# Altium PCB EPS.PcbDoc (part 4 of 10)
Units mm, origin at the board's own origin, x right, y up, seen from the top; angles counter-clockwise.
Board outline 90.25 x 93.64 mm, 8 copper layers (Top Layer, PGND, Power, Control Signals 1, Control Signals 2, Signal 1, Signal 2, Bottom Layer), stack 1.637 mm thick; 953 components, 561 nets, 2718 pads, 883 vias.
Unrouted connection lines stored in the file: 2.
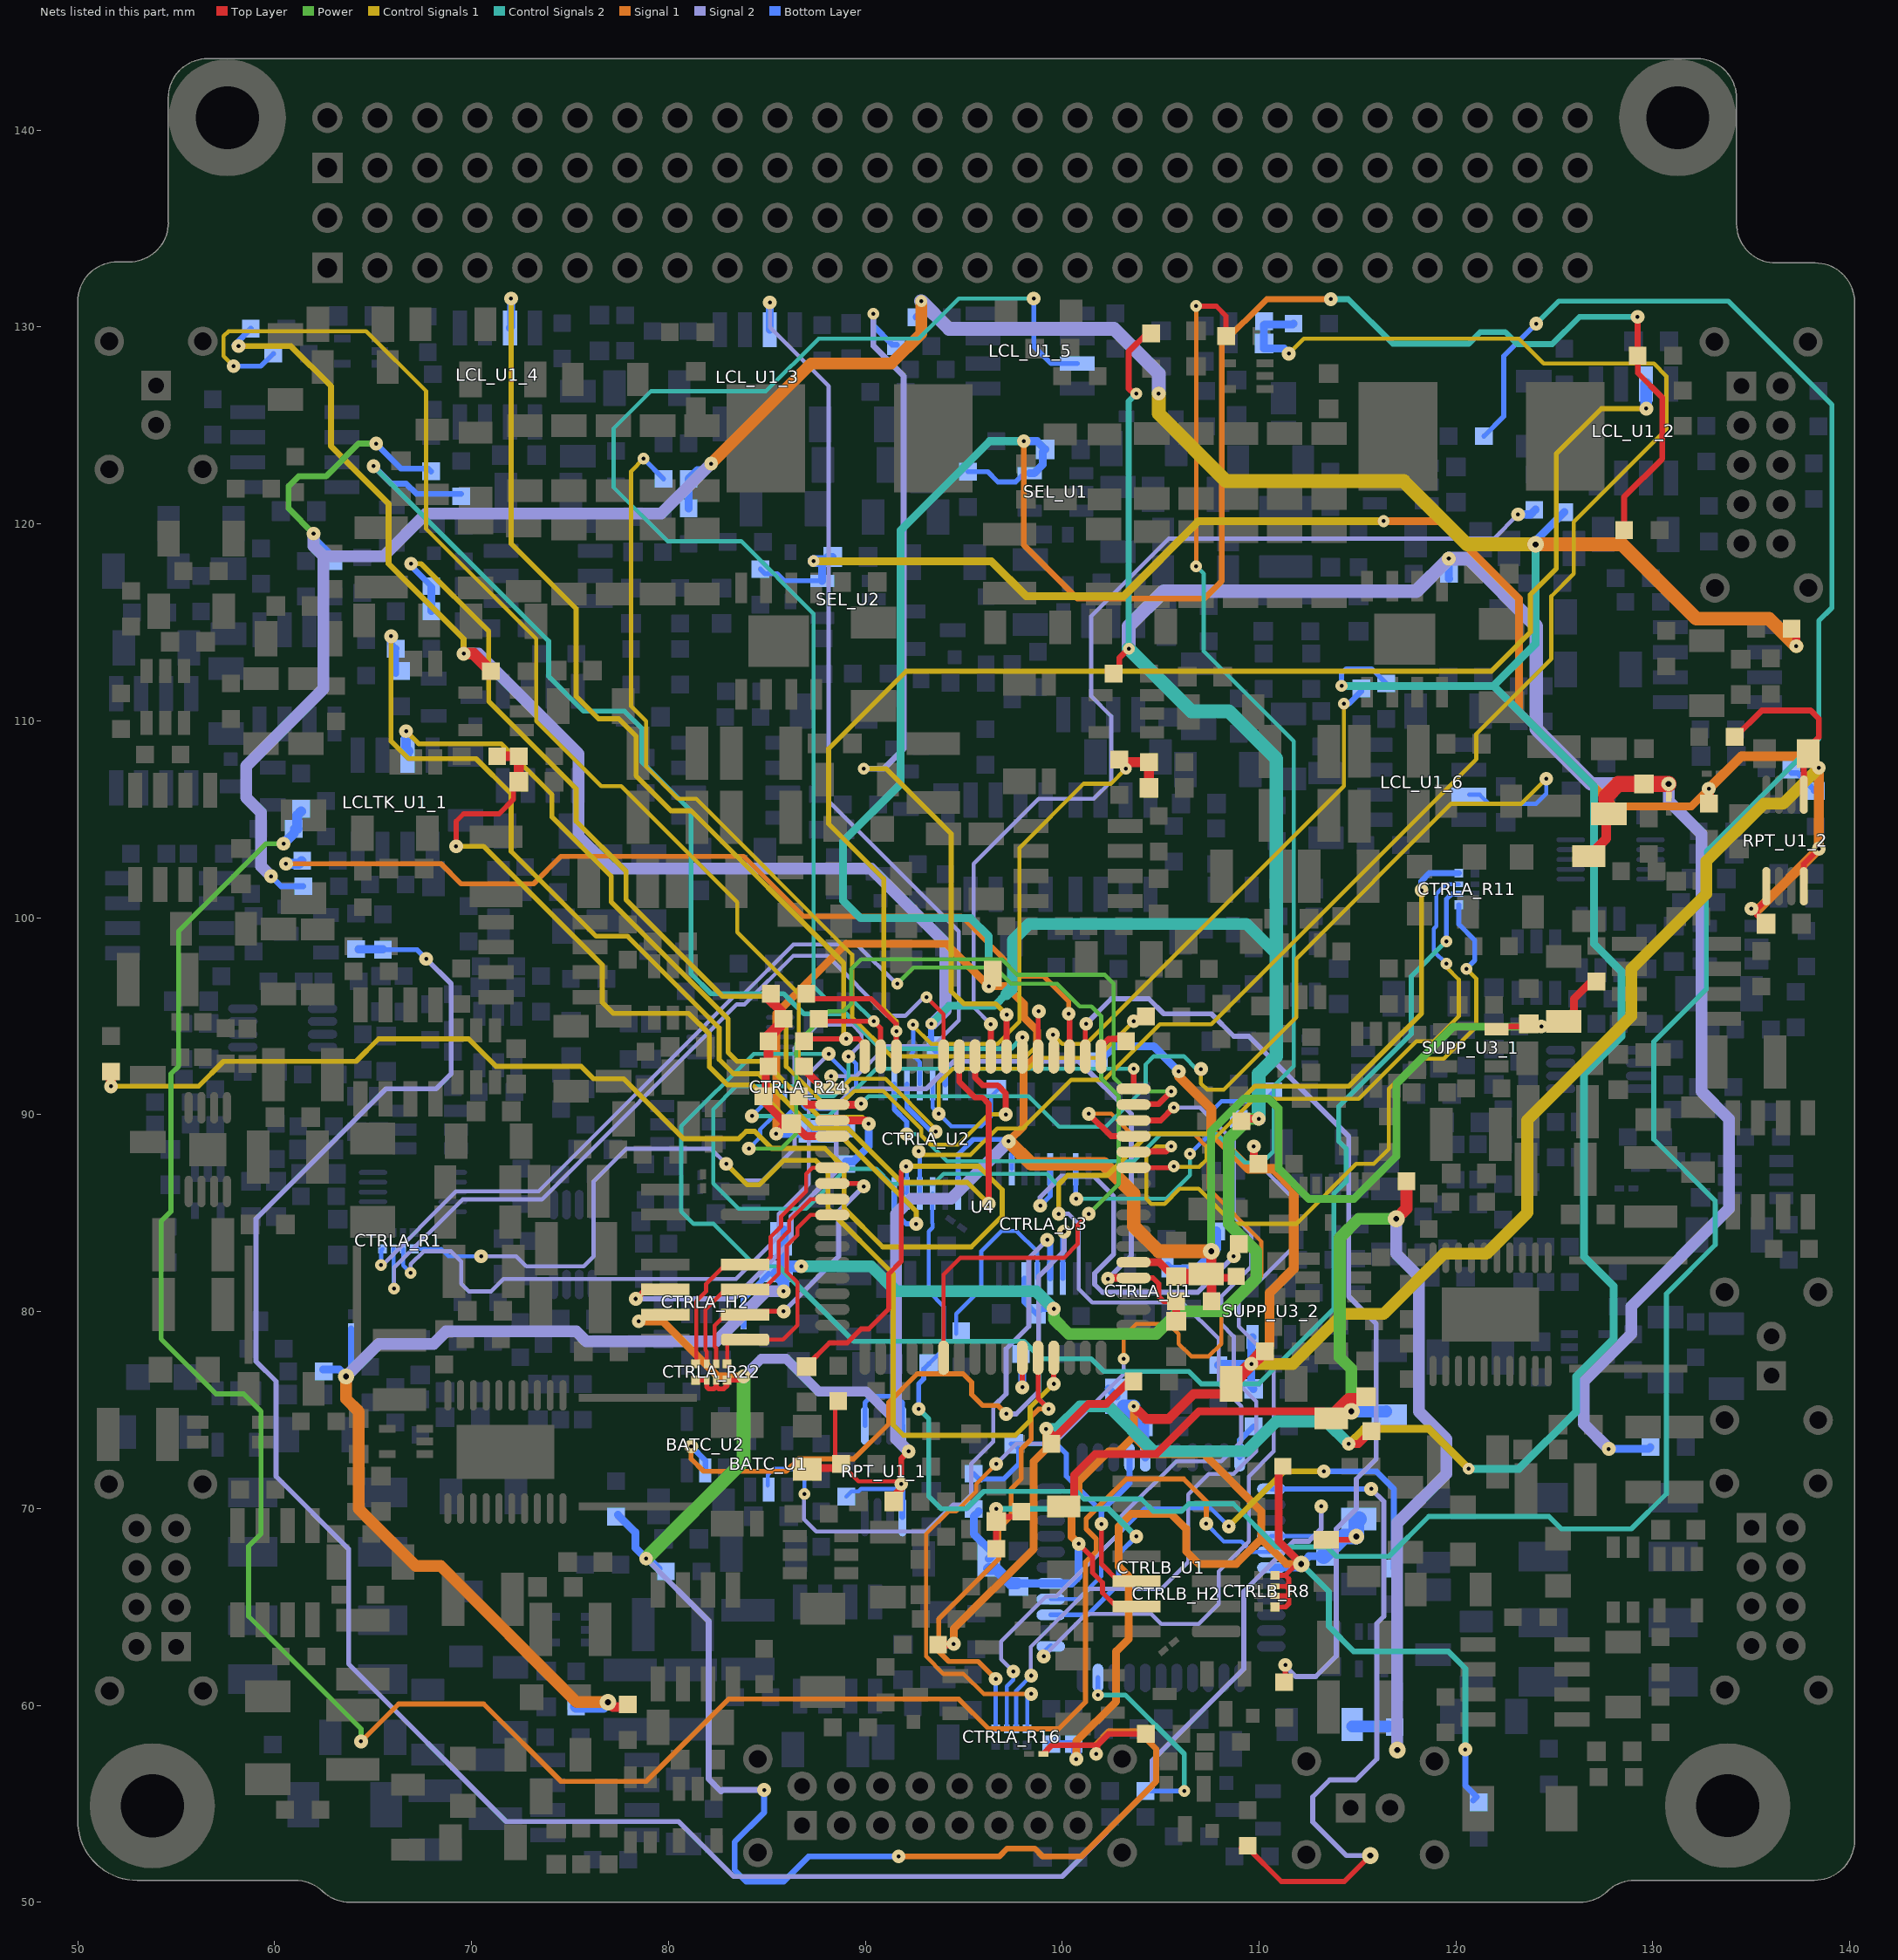
[diagram p10: the nets of this part, all layers, seen from the top]

## Via types
v1: diameter 0.7, hole 0.2, Top Layer to Bottom Layer, 440 vias
v2: diameter 0.85, hole 0.3, Top Layer to Bottom Layer, 329 vias
v3: diameter 0.6, hole 0.2, Top Layer to Bottom Layer, 70 vias
v4: diameter 0.8, hole 0.3, Top Layer to Bottom Layer, 24 vias
v5: diameter 0.75, hole 0.3, Top Layer to Bottom Layer, 13 vias
v6: diameter 0.7, hole 0.3, Top Layer to Bottom Layer, 3 vias
v7: diameter 1, hole 0.4, Top Layer to Bottom Layer, 2 vias
v8: diameter 1, hole 0.3, Top Layer to Bottom Layer, 1 vias
v9: diameter 0.75, hole 0.2, Top Layer to Bottom Layer, 1 vias

## Nets (pads, with @x,y where several pads share a name; then routed paths per layer and width w, separated by ;. In a path a pad name is that pad's centre, name@x,y a point inside that pad or via, vN(x,y) a via of type N, cw(c..) or ccw(c..) an arc to the next point about the centre after c; other vN are vias at no path point) (continued)
BAT_MEAS_VOLTAGE_R: BATV_C2.1 BATV_R3.2 BATV_R4.1 CTRLB_U1.36 | length 17.3
  Top Layer w0.3: BATV_R3.2@96.647,67.956 BATV_C2.1@96.647,69.331 96.901,69.585 BATV_R4.1@97.917,69.585
  Control Signals 2 w0.3: v1(96.647,69.977) 102.362,69.977 v1(103.759,68.58)
  Bottom Layer w0.254: CTRLB_U1.36@99.417,64.593 101.296,64.593 102.87,66.167 102.87,67.691 v1(103.759,68.58)
CHRG_LCLN_ON: RLCLB_R10.1 U4.33 | length 1.7
  Top Layer w0.3: U4.33@101.97,92.96 U4.33@101.974,92.956 ; U4.33@101.981,93.218 101.981,93.472 102.362,93.853 RLCLB_R10.1@103.24,93.853
CHRG_LCLR_ON: CTRLB_U1.11 RLCLB_R9.1 | length 1.9
  Bottom Layer w0.3: CTRLB_U1.11@109.017,72.593 109.017,73.468 RLCLB_R9.1@109.717,74.168
CHRG_MEAS_CURRENT: BATC_U1.2 CTRLA_U3.12 | length 31
  Signal 2 w0.208: v3(86.903,70.726) 86.881,70.726 86.881,69.456 87.503,68.834 93.091,68.834 94.466,70.209 94.887,70.209 95.377,70.699 95.377,72.263 96.498,73.384 96.498,75.162 96.52,75.184
  Signal 2 w0.254: 96.52,75.184 97.155,75.819 97.155,78.105 98.298,79.248 98.298,82.702 v1(99.238,83.642)
  Bottom Layer w0.208: BATC_U1.2@85.052,71.169 85.052,71.717 85.344,72.009 86.614,72.009 86.903,71.72 v3(86.903,70.726)
  Bottom Layer w0.3: v1(99.238,83.642) 99.385,83.495 CTRLA_U3.12@99.385,81.68
CTRLA_3V3A: CTRL_FB1_1.1 CTRL_FB2_1.1 CTRLA_C1.1 CTRLA_C3.1 CTRLA_J1.2 CTRLA_J2.2 CTRLA_J4.2 CTRLA_R21.2 CTRLA_U2.14 CTRLA_U3.14 HK_R2_1.1 HK_R2_2.1 HK_R2_3.1 LS_FB1_1.2 MEAS_R3_1.1 MEAS_R3_2.1 MEAS_R3_3.1 SUPP_C1_1.1 SUPP_C2_1.1 TEMP_R1.2 TEMP_R2.2 TEMP_R4.2 TEMP_R5_1.2 | length 324.6
  Top Layer w0.3: HK_R2_2.1@102.732,112.395 102.895,112.558 102.895,113.182 v3(103.378,113.665) ; v3(103.759,126.619) 103.632,126.619 103.378,126.873 103.378,128.753 104.303,129.678 TEMP_R1.2@104.521,129.678 ; v5(130.799,106.796) 130.81,106.785 CTRLA_J2.2@130.81,106.147
  Top Layer w0.4: CTRLA_R21.2@109.104,89.662 109.231,89.789 v1(109.982,89.789)
  Top Layer w0.5: v2(76.924,60.16) 77.167,59.917 MEAS_R3_3.1@77.94,59.917 ; LS_FB1_1.2@126.746,103.123 127.635,104.012 SUPP_C2_1.1@127.635,105.526
  Top Layer w0.6: v1(69.596,113.411) 70.093,113.411 HK_R2_1.1@70.982,112.522
  Top Layer w0.8: SUPP_C2_1.1@127.635,105.526 127.635,106.172 128.259,106.796 SUPP_C1_1.1@129.54,106.796 v5(130.799,106.796)
  Power w0.6: v1(99.568,80.137) 99.568,79.629 100.33,78.867 104.775,78.867 105.918,80.01 108.204,80.01 109.855,81.661 109.855,83.058 108.463,84.45 108.463,88.778 109.474,89.789 v1(109.982,89.789)
  Signal 1 w0.6: v4(63.627,76.708) 63.627,75.565 64.262,74.93 64.262,69.977 67.159,67.08 68.429,67.08 75.349,60.16 v2(76.924,60.16)
  Signal 2 w0.6: v4(63.627,76.708) 65.278,78.359 68.072,78.359 68.707,78.994 75.316,78.994 75.824,78.486 82.423,78.486 84.963,81.026 v1(85.852,81.026) ; v1(69.596,113.411) 70.358,113.411 75.438,108.331 75.438,104.14 77.089,102.489 90.297,102.489 94.071,98.715 94.071,95.278 93.409,94.615 v3(93.345,94.615) ; v1(127.762,73.025) 126.492,74.295 126.492,76.454 128.905,78.867 128.905,80.264 133.858,85.217 133.858,89.789 132.461,91.186 132.461,104.267 130.799,105.929 v5(130.799,106.796)
  Signal 2 w0.7: v3(103.378,113.665) 103.378,114.808 105.156,116.586 117.983,116.586 v1(119.634,118.237) 120.65,118.237 124.079,114.808 124.079,109.588 126.871,106.796 v5(130.799,106.796)
  Control Signals 1 w0.3: v1(58.166,129.032) 60.833,129.032 62.865,127 62.865,123.952 65.786,121.031 65.786,117.983 69.596,114.173 v1(69.596,113.411)
  Control Signals 2 w0.3: v3(103.378,113.665) 103.378,126.238 v3(103.759,126.619)
  Control Signals 2 w0.4: v3(93.345,94.615) 94.259,95.529 96.56,95.529 97.162,96.132
  Control Signals 2 w0.6: v1(86.741,82.296) 90.297,82.296 91.567,81.026 98.679,81.026 v1(99.568,80.137) ; 97.168,96.126 97.485,96.444 97.485,98.857 98.323,99.695 109.347,99.695 110.871,98.171
  Control Signals 2 w0.7: v3(103.378,113.665) 106.553,110.49 108.458,110.49 110.871,108.077 110.871,98.171 110.871,92.964 109.982,92.075 v1(109.982,89.789)
  Bottom Layer w0.3: v1(58.166,129.032) 58.039,129.032 57.97,129.101 58.033,129.165 TEMP_R4.2@58.79,129.921 ; v4(63.627,76.708) 63.881,76.962 CTRLA_J1.2@63.881,79.146 ; CTRLA_J4.2@83.82,79.248 CTRLA_J4.2@83.82,79.35 83.82,80.645 CTRL_FB1_1.1@85.09,81.915 ; CTRL_FB1_1.1@85.343,81.914 CTRL_FB1_1.1@85.471,81.914 ; v3(93.345,94.615) 93.345,93.461 94.066,92.74 CTRLA_U2.14@94.066,91.548 ; CTRLA_U3.14@98.085,81.68 98.085,80.488 CTRLA_C3.1@98.69,79.883 98.944,80.137 v1(99.568,80.137)
  Bottom Layer w0.4: MEAS_R3_1.1@62.457,77.051 63.284,77.051 v4(63.627,76.708) ; TEMP_R5_1.2@108.966,89.778 109.971,89.778 v1(109.982,89.789) ; v1(119.634,118.237) 119.634,117.232 HK_R2_3.1@119.645,117.221 ; v1(127.762,73.025) 129.783,73.025 MEAS_R3_2.1@129.872,73.114
  Bottom Layer w0.6: TEMP_R2.2@75.311,59.933 76.697,59.933 v2(76.924,60.16) ; v1(85.852,81.026) 85.852,81.533 85.471,81.914 CTRL_FB1_1.1@85.852,82.295 ; CTRL_FB2_1.1@85.852,84.074 CTRL_FB1_1.1@85.852,82.295 ; v1(86.741,82.296) 85.853,82.296 CTRL_FB1_1.1@85.852,82.295
CTRLA_3V3D: BATC_R3.1 BATC_R4.1 CTRL_C1_1.1 CTRL_C2_1.1 CTRL_C8_1.1 CTRL_C9_1.1 CTRLA_C5.1 CTRLA_H2.4 CTRLA_J3.2 CTRLA_R2.1 CTRLA_R5.1 CTRLA_R8.1 CTRLA_R9.1 CTRLA_R10.1 CTRLA_R12.1 CTRLA_R22.1 CTRLA_R22.2 CTRLA_R22.3 CTRLA_R22.4 CTRLA_R23.2 CTRLA_R26.2 CTRLA_U1.5 CTRLA_U2.2 CTRLA_U3.2 CTRLB_R3.2 HTR_R1.2 LS_D1.A LS_R9.2 RPT_C3_1.2 RPT_C5_1.1 RPT_R1_1.1 RPT_R2_1.1 RPT_R7_1.2 RPT_R8_1.1 RPT_U1_1.1 RPT_U1_1.5 RPT_U1_1.8 SEL_C2.1 SEL_R10.2 SEL_U1.5 SUPP_C5_1.1 SUPP_C6_1.1 SUPP_R2_1.1 SUPP_U3_1.6 U4.21 U4.52 | length 359.6
  Top Layer w0.208: CTRLA_R26.2@88.621,75.452 88.468,75.3 88.468,72.557 RPT_R1_1.1@88.762,72.263 89.651,71.374 91.694,71.374 v1(91.821,71.247)
  Top Layer w0.254: CTRLA_R22.1@81.382,76.517 CTRLA_R22.2@81.94,76.517 81.94,76.175 82.042,76.073 82.296,76.073 82.423,76.2 ; CTRLA_R22.3@82.423,76.517 82.423,76.2 ; v1@83.82,76.517 CTRLA_R22.4@82.982,76.517 82.982,76.251 82.804,76.073 82.55,76.073 82.423,76.2
  Top Layer w0.3: v1(91.821,71.247) 91.821,72.517 v1(92.202,72.898) ; v1@96.15,96.404 96.223,96.477 LS_R9.2@96.223,97.155 ; CTRLA_J3.2@99.035,57.531 99.484,57.98 101.795,57.98 ; v1(101.727,57.531) 101.795,57.599 101.795,57.98 ; HTR_R1.2@104.51,58.42 104.383,58.547 HTR_R1.2@104.256,58.547 102.362,58.547 101.795,57.98 ; CTRL_C9_1.1@107.315,81.916 CTRL_C9_1.1@107.521,81.71 ; SUPP_U3_1.6@122.326,94.234 122.569,94.477 SUPP_C5_1.1@123.698,94.477 ; RPT_R8_1.1@128.538,119.685 128.538,121.376 130.48,123.317 130.48,126.416 129.235,127.66 RPT_R7_1.2@129.235,128.549 ; RPT_R7_1.2@129.224,128.549 v1(129.224,130.52)
  Top Layer w0.4: CTRLA_R8.1@84.952,92.456 84.952,90.932 84.925,90.88 84.825,90.689 85.852,89.662 CTRL_C1_1.1@85.852,89.408 ; v1(85.471,89.027) CTRL_C1_1.1@85.852,89.408 ; CTRL_C1_1.1@86.233,89.546 85.99,89.546 CTRL_C1_1.1@85.852,89.408 ; CTRL_C1_1.1@86.36,89.546 87,88.906 U4.52@88.324,88.906 ; RPT_C5_1.1@87.122,72.052 88.551,72.052 RPT_R1_1.1@88.762,72.263 ; RPT_C3_1.2@91.451,70.358 91.451,70.623 91.821,70.993 v1(91.821,71.247) ; U4.21@103.624,82.506 104.935,82.506 CTRL_C8_1.1@105.664,81.777 ; CTRL_C9_1.1@107.176,81.777 CTRL_C9_1.1@107.315,81.916 ; CTRL_C9_1.1@107.521,81.71 LS_D1.A@108.839,81.71 ; SUPP_C5_1.1@123.698,94.477 123.825,94.477 v1(124.333,94.477) 125.083,94.477 125.476,94.87 SUPP_C6_1.1@125.603,94.87 ; SUPP_C6_1.1@125.476,94.743 SUPP_C6_1.1@125.603,94.87 ; SUPP_R2_1.1@127.127,96.763 126.862,96.763 125.984,95.885 125.984,95.251 SUPP_C6_1.1@125.603,94.87
  Top Layer w0.5: CTRLA_R8.1@85.079,92.456 CTRLA_R9.1@85.079,93.726 CTRLA_R9.1@85.079,93.969 ; CTRLA_R12.1@85.079,96.139 85.079,95.896 85.714,95.261 CTRLA_R10.1@85.714,94.604 ; CTRL_C9_1.1@107.315,81.916 107.569,82.17 v2(107.569,83.058) ; CTRL_C9_1.1@107.521,81.71 107.58,81.651 CTRLA_R23.2@107.58,80.518 ; SUPP_C5_1.1@123.698,94.604 SUPP_C5_1.1@123.825,94.477
  Top Layer w0.6: CTRLA_R9.1@85.079,93.969 CTRLA_R10.1@85.714,94.604
  Top Layer w0.8: CTRL_C8_1.1@105.791,81.777 CTRL_C9_1.1@107.176,81.777
  Power w0.4: v2(107.569,83.058) 107.569,89.154 109.22,90.805 110.49,90.805 110.998,90.297 110.998,87.249 112.522,85.725 114.808,85.725 116.967,87.884 116.967,91.567 119.877,94.477 v1(124.333,94.477)
  Power w0.7: v1(78.867,67.456) 83.82,72.409 v1(83.82,76.708)
  Signal 1 w0.3: v1(91.694,52.324) 96.799,52.324 97.206,52.73 98.603,52.73 99.009,52.324 100.965,52.324 104.775,56.134 104.775,57.785 103.886,58.674 102.362,58.674 101.727,58.039 v1(101.727,57.531) ; v1(98.044,124.206) 98.044,118.948 100.787,116.205 107.213,116.205 108.102,117.094 108.102,129.134 110.388,131.42 v1(113.64,131.42)
  Signal 1 w0.4: v1(78.486,79.502) 79.705,79.502 82.499,76.708 v1(83.82,76.708) ; v1(85.471,89.027) 85.471,95.123 89.027,98.679 94.107,98.679 v1(96.266,96.52) 97.155,96.52 98.053,95.622 98.053,94.938 98.494,94.497 98.727,94.264 98.727,93.012 98.044,92.329 98.044,89.408 v1(97.282,88.646)
  Signal 1 w0.7: v1(97.282,88.646) 98.425,87.503 102.108,87.503 103.632,85.979 103.632,84.328 104.902,83.058 v2(107.569,83.058)
  Signal 2 w0.3: v1(78.867,67.456) 82.042,64.281 82.042,56.261 82.677,55.626 82.753,55.702 v1(84.861,55.702)
  Signal 2 w0.5: v1(83.82,76.708) 84.709,77.597 85.979,77.597 87.63,75.946 90.043,75.946 91.567,74.422
  Signal 2 w0.6: v1(92.202,72.898) 91.567,73.533 91.567,74.422 91.567,84.963 92.329,85.725 94.361,85.725 v1(97.282,88.646)
  Control Signals 2 w0.3: v1(113.64,131.42) 114.529,131.42 116.789,129.159 120.65,129.159 121.234,129.743 122.504,129.743 123.114,129.134 124.892,129.134 126.278,130.52 v1(129.224,130.52)
  Control Signals 2 w0.4: v1(96.266,96.52) 96.266,99.06 95.352,99.974 89.764,99.974 88.875,100.863 88.875,103.886 91.796,106.807 91.796,119.685 96.317,124.206 v1(98.044,124.206)
  Bottom Layer w0.208: RPT_R2_1.1@89.027,70.601 89.292,70.866 89.662,70.866 89.789,70.993 91.694,70.993 v1@91.885,71.183 ; CTRLA_U3.2@97.435,87.23 v1@97.435,88.747
  Bottom Layer w0.254: RPT_U1_1.5@89.98,74.207 89.98,75.374 90.297,75.692 91.567,75.692 91.885,75.374 RPT_U1_1.8@91.885,74.207 ; CTRLA_U2.2@94.716,85.998 94.716,87.985 95.478,88.747 v1@97.435,88.747 ; SEL_R10.2@95.212,122.655 96.217,122.655 96.736,122.136 97.625,122.136 98.067,122.578 SEL_U1.5@98.347,122.578
  Bottom Layer w0.3: v1(84.861,55.702) 84.861,54.559 83.363,53.061 83.363,51.638 83.947,51.054 85.852,51.054 87.122,52.324 v1(91.694,52.324) ; RPT_U1_1.1@91.885,69.557 v1@91.885,71.183 ; RPT_U1_1.8@91.885,74.207 91.885,73.215 v1(92.202,72.898)
  Bottom Layer w0.4: BATC_R4.1@77.432,69.674 78.321,68.785 78.321,68.002 v1(78.867,67.456) 78.975,67.456 BATC_R3.1@79.502,66.929 ; v1(85.471,89.027) 87.63,89.027 87.757,89.154 CTRL_C2_1.1@88.011,88.9 ; CTRL_C2_1.1@87.884,89.419 CTRLA_R2.1@89.027,89.419 ; v1(98.044,124.206) 98.719,124.206 SEL_C2.1@99.138,123.787 99.022,123.671 99.022,123.025 98.575,122.578 SEL_U1.5@98.347,122.578 ; CTRLA_U1.5@105.344,82.336 105.511,82.169 106.31,82.169 CTRLA_C5.1@106.553,81.926 v2@107.569,82.942
  Bottom Layer w0.5: v2@107.823,83.196 CTRLB_R3.2@107.823,84.074
CTRLA_BATC_CURR_DCHRG: BATC_U2.2 CTRLA_U3.11 | length 35.5
  Signal 1 w0.254: v1(81.153,73.152) 81.153,72.517 81.788,71.882 85.979,71.882 86.614,72.517 89.408,72.517 91.186,74.295 91.186,75.387 92.634,76.835 94.971,76.835 95.402,76.403 95.402,75.788 95.961,75.229 96.729,75.229 v1(97.155,74.803)
  Signal 2 w0.254: v1(97.155,74.803) 97.663,74.803 98.806,75.946 98.806,81.788 100.098,83.08 v1(100.098,84.06)
  Bottom Layer w0.254: CTRLA_U3.11@100.035,81.68 v1@100.035,84.06
  Bottom Layer w0.3: v1(81.153,73.152) 81.877,72.428 BATC_U2.2@81.877,71.931
CTRLA_BATC_Heater: HTR_R8.2 U4.34 | length 50.9
  Top Layer w0.254: U4.34@101.174,92.956 101.174,94.697 101.219,94.652 v1(101.219,94.615) ; HTR_R8.2@111.252,60.971 111.455,61.174 111.328,61.301 v1(111.328,62.052)
  Signal 2 w0.254: v1(101.219,94.615) 102.489,95.885 104.394,95.885 105.156,95.123 107.569,95.123 108.712,93.98 109.474,93.98 114.554,88.9 114.554,80.772 115.951,79.375 115.951,72.517 114.935,71.501 114.935,69.977 113.919,68.961 113.919,62.509 112.878,61.468 111.862,61.468 111.328,62.001 v1(111.328,62.052)
CTRLA_BATC_TEMP: CTRLA_U3.13 TEMP_R1_3.2 | length 9.8
  Bottom Layer w0.208: TEMP_R1_3.2@94.615,78.878 94.615,79.883 95.885,81.153 95.885,83.058 96.923,84.096 97.681,84.096 98.735,83.042 CTRLA_U3.13@98.735,81.68
CTRLA_BATC_TMP_C\S\1: CTRLA_R16.8 U4.29 | length 57.7
  Top Layer w0.3: v1(101.346,90.043) 102.483,88.906 U4.29@103.624,88.906 103.63,88.9 U4.29@103.697,88.967
  Signal 1 w0.208: v1(96.647,72.263) 95.631,71.247 95.631,70.866 94.615,69.85 94.234,69.85 93.091,68.707 93.091,62.484 93.98,61.595 94.996,61.595 96.012,60.579 v1(98.425,60.579) ; v1(101.346,90.043) 102.489,90.043 103.505,89.027 106.68,89.027 107.442,88.265 107.442,86.233 110.109,83.566 110.109,81.788 108.077,79.756 108.077,78.359 107.442,77.724 106.553,77.724 105.918,78.359 105.918,78.867 105.41,79.375 103.759,79.375 103.124,78.74 v3(103.124,77.597)
  Signal 2 w0.208: v1(96.647,72.263) 97.663,73.279 99.568,73.279 103.124,76.835 v3(103.124,77.597)
  Bottom Layer w0.208: CTRLA_R16.8@98.222,58.801 98.222,60.376 v1(98.425,60.579)
CTRLA_BATC_TMP_C\S\2: CTRLA_R16.7 U4.30 | length 45.6
  Top Layer w0.3: U4.30@103.624,89.706 105.005,89.706 v3(105.664,90.365)
  Signal 2 w0.208: v1(98.425,61.508) 98.403,61.531 98.403,62.97 101.346,65.913 105.029,65.913 106.404,67.288 106.404,70.717 107.442,71.755 108.712,71.755 109.855,72.898 109.855,75.438 108.712,76.581 108.712,78.74 108.077,79.375 108.077,80.772 109.601,82.296 109.601,83.947 108.712,84.836 108.712,88.646 106.993,90.365 v3(105.664,90.365)
  Bottom Layer w0.208: CTRLA_R16.7@97.663,58.801 97.663,60.746 v1(98.425,61.508) v1@98.421,61.512
CTRLA_BURN_SADS: LCLTK_R11_1.2 LCLTK_R12_1.2 U4.42 | length 58.2
  Top Layer w0.3: U4.42@94.774,92.956 94.774,91.662 95.563,90.873 95.944,90.873 96.266,90.551 v1(96.266,85.471)
  Control Signals 1 w0.254: v1(65.913,114.3) 65.913,108.966 66.802,108.077 70.231,108.077 72.009,106.299 72.009,103.378 76.327,99.06 77.924,99.06 82.575,94.409 82.575,92.812 83.312,92.075 84.582,92.075 87.351,89.306 89.103,89.306 91.846,86.563 95.174,86.563 v1(96.266,85.471)
  Bottom Layer w0.35: v1(65.913,114.3) 65.913,113.908 LCLTK_R12_1.2@66.156,113.665 ; LCLTK_R11_1.2@66.15,112.4 LCLTK_R12_1.2@66.15,113.5
CTRLA_BURN_SAIL: LCLTK_R3_1.2 LCLTK_R5_1.2 U4.41 | length 56
  Top Layer w0.3: U4.41@95.574,92.956 95.574,91.878 95.959,91.493 96.721,91.493 97.132,91.082 v1(97.132,90.012)
  Control Signals 1 w0.208: 85.979,92.456 87.884,90.551 88.773,90.551 89.43,91.208 90.91,91.208 92.837,89.281 92.837,88.94 93.304,88.474 94.722,88.474 96.261,90.012 v1(97.132,90.012)
  Control Signals 1 w0.254: v1(66.929,117.983) 67.437,117.983 70.866,114.554 70.866,110.998 75.311,106.553 75.311,104.902 77.851,102.362 77.851,100.914 82.753,96.012 84.963,96.012 85.979,94.996 85.979,92.456
  Bottom Layer w0.3: v1(66.929,117.983) 66.929,117.867 LCLTK_R3_1.2@67.956,116.84
  Bottom Layer w0.4: LCLTK_R5_1.2@67.95,115.581 LCLTK_R3_1.2@67.95,116.781
CTRLA_HK_3V3_CURR: CTRLA_U2.6 HK_C4_1.1 HK_R5_1.2 | length 74.9
  Top Layer w0.254: HK_R5_1.2@51.689,91.937 51.562,92.064 HK_R5_1.2@51.689,92.191 ; HK_C4_1.1@86.97,77.202 88.178,78.41 89.078,78.41 89.789,79.121 90.17,79.121 91.186,80.137 91.186,81.915 91.821,82.55 91.821,87.122 v1(92.075,87.376)
  Top Layer w0.5: v1(51.689,91.44) HK_R5_1.2@51.689,91.937
  Control Signals 1 w0.254: v1(51.689,91.44) 56.134,91.44 57.404,92.71 64.135,92.71 65.278,93.853 69.85,93.853 71.247,92.456 75.565,92.456 76.2,91.821 77.724,91.821 80.772,88.773 83.566,88.773 83.947,89.154 84.382,89.154 85.246,88.29 87.935,88.29 88.925,87.3 88.925,85.242 90.881,83.287 95.377,83.287 96.952,84.861 96.952,86.182 95.758,87.376 v1(92.075,87.376)
  Bottom Layer w0.208: CTRLA_U2.6@92.075,86.039 CTRLA_U2.6@92.116,85.998 92.116,87.335 v1(92.075,87.376)
CTRLA_HK_3V3_TEMP: CTRLA_U2.11 TEMP_R1_1.2 | length 70.5
  Control Signals 1 w0.208: v1(57.912,128.016) 57.407,128.521 57.407,129.543 57.658,129.794 64.643,129.794 67.691,126.746 67.691,119.761 73.279,114.173 73.279,109.982 76.581,106.68 77.597,106.68 83.49,100.787 83.49,99.263 86.614,96.139 86.614,92.456 87.884,91.186 88.646,91.186 89.281,91.821 91.019,91.821 93.576,89.264 v1(93.576,89.131)
  Bottom Layer w0.254: v1(57.912,128.016) 59.298,128.016 TEMP_R1_1.2@59.933,128.651 ; CTRLA_U2.11@92.116,91.548 92.116,90.383 93.368,89.131 v1(93.576,89.131)
CTRLA_HK_3V3_VOLT: CTRLA_U2.7 HK_C1_1.1 HK_R3_1.2 HK_R4_1.1 | length 44.1
  Top Layer w0.254: v1(69.215,103.632) 69.215,104.902 69.596,105.283 71.399,105.283 72.136,106.02 72.136,106.636 HK_C1_1.1@72.4,106.9
  Top Layer w0.5: HK_R3_1.2@71.3,108.2 HK_R4_1.1@72.4,108.2 HK_C1_1.1@72.4,106.9
  Control Signals 1 w0.254: v1(69.215,103.632) 70.612,103.632 76.644,97.599 76.644,95.694 77.191,95.148 81.026,95.148 82.074,94.101 82.074,92.424 82.982,91.516 84.252,91.516 86.919,88.849 88.824,88.849 92.583,85.09 v1(92.583,84.455)
  Bottom Layer w0.254: CTRLA_U2.7@91.466,85.998 91.466,85.064 92.075,84.455 v1(92.583,84.455)
CTRLA_HK_5V_CURR: CTRLA_U2.13 HK_C4_2.1 HK_R5_2.2 | length 19.8
  Top Layer w0.208: v1(103.632,94.742) 103.886,94.996 HK_R5_2.2@104.256,94.996
  Control Signals 1 w0.208: v1(93.726,90.043) 93.726,91.618 94.437,92.329 98.298,92.329 98.857,92.888 101.778,92.888 v1(103.632,94.742)
  Bottom Layer w0.208: CTRLA_U2.13@93.416,91.548 93.416,90.353 v1(93.726,90.043) 94.361,89.408 95.885,89.408 96.393,89.916 96.393,90.921 HK_C4_2.1@96.774,91.302
CTRLA_HK_5V_TEMP: CTRLA_U2.10 TEMP_R1_2.2 | length 71.6
  Top Layer w0.254: v3(106.807,131.064) 107.823,131.064 108.32,130.567 TEMP_R1_2.2@108.32,129.54
  Signal 1 w0.208: v3(106.807,117.856) v3(106.807,131.064)
  Control Signals 2 w0.208: v1(92.103,89.006) 92.771,89.006 94.147,87.63 103.632,87.63 105.001,88.999 107.851,88.999 109.283,87.566 110.172,87.566 110.744,88.138 110.744,91.44 111.76,92.456 111.76,108.966 107.188,113.538 107.188,117.475 v3(106.807,117.856)
  Bottom Layer w0.254: CTRLA_U2.10@91.466,91.548 91.466,90.271 92.103,89.634 v1(92.103,89.006)
CTRLA_HK_5V_VOLT: CTRLA_U2.12 HK_C1_2.1 HK_R3_2.2 HK_R4_2.1 | length 29
  Top Layer w0.208: HK_R3_2.2@102.7,108.1 102.9,107.9 v3(103.231,107.569)
  Top Layer w0.5: HK_R3_2.2@102.9,107.9 HK_R4_2.1@104.4,107.9 HK_C1_2.1@104.4,106.6
  Control Signals 1 w0.208: v3(92.431,94.564) 92.431,94.513 93.345,93.599 96.716,93.599 97.831,94.714 97.831,103.546 101.092,106.807 102.469,106.807 v3(103.231,107.569)
  Bottom Layer w0.208: v3(92.431,94.564) 92.431,93.193 92.329,93.091 92.766,92.654 CTRLA_U2.12@92.766,91.548
CTRLA_HK_SUPP_TEMP: CTRLA_U3.7 TEMP_R1_6.2 | length 15.1
  Control Signals 2 w0.208: v1(100.711,85.725) 105.283,85.725 106.489,86.931 v3(106.489,88.011)
  Bottom Layer w0.208: v3(106.489,88.011) 107.696,89.218 107.696,90.297 108.077,90.678 110.225,90.678 TEMP_R1_6.2@110.733,91.186
  Bottom Layer w0.254: v1@100.685,85.751 CTRLA_U3.7@100.685,87.23
  Bottom Layer w0.3: v1@100.685,85.751 v1(100.711,85.725)
CTRLA_HK_TEMP: CTRLA_U3.5 TEMP_R1_4.2 | length 20.8
  Top Layer w0.3: v1(108.712,82.804) 108.712,82.92 108.839,83.047 108.712,83.174 TEMP_R1_4.2@108.966,83.428
  Signal 2 w0.254: v1(98.882,85.376) 98.882,85.801 99.949,86.868 101.6,86.868 102.616,85.852 102.616,82.915 101.644,81.943 101.644,81.379 102.042,80.981 106.889,80.981 v1(108.712,82.804)
  Bottom Layer w0.254: v1(98.882,85.376) 99.385,85.879 CTRLA_U3.5@99.385,87.23
CTRLA_HK_VBAT_CURR: CTRLA_U2.4 HK_C4_3.1 HK_R5_3.2 | length 144
  Control Signals 2 w0.254: v1(92.71,75.057) 93.218,74.549 93.218,70.612 93.853,69.977 95.123,69.977 96.012,70.866 100.711,70.866 101.1,70.477 104.021,70.477 104.648,69.85 106.045,69.85 106.426,70.231 108.687,70.231 110.871,68.047 113.436,68.047 113.919,67.564 116.586,67.564 118.618,69.596 124.714,69.596 125.349,68.961 128.905,68.961 130.683,70.739 130.683,80.899 133.172,83.388 133.172,85.623 130.048,88.748 130.048,93.701 132.715,96.368 132.715,103.378 138.43,109.093 138.43,115.087 139.09,115.748 139.09,126.06 133.833,131.318 125.222,131.318 v1(124.079,130.175)